# Altium PCB FC11.PcbDoc (part 1 of 2) (continued)
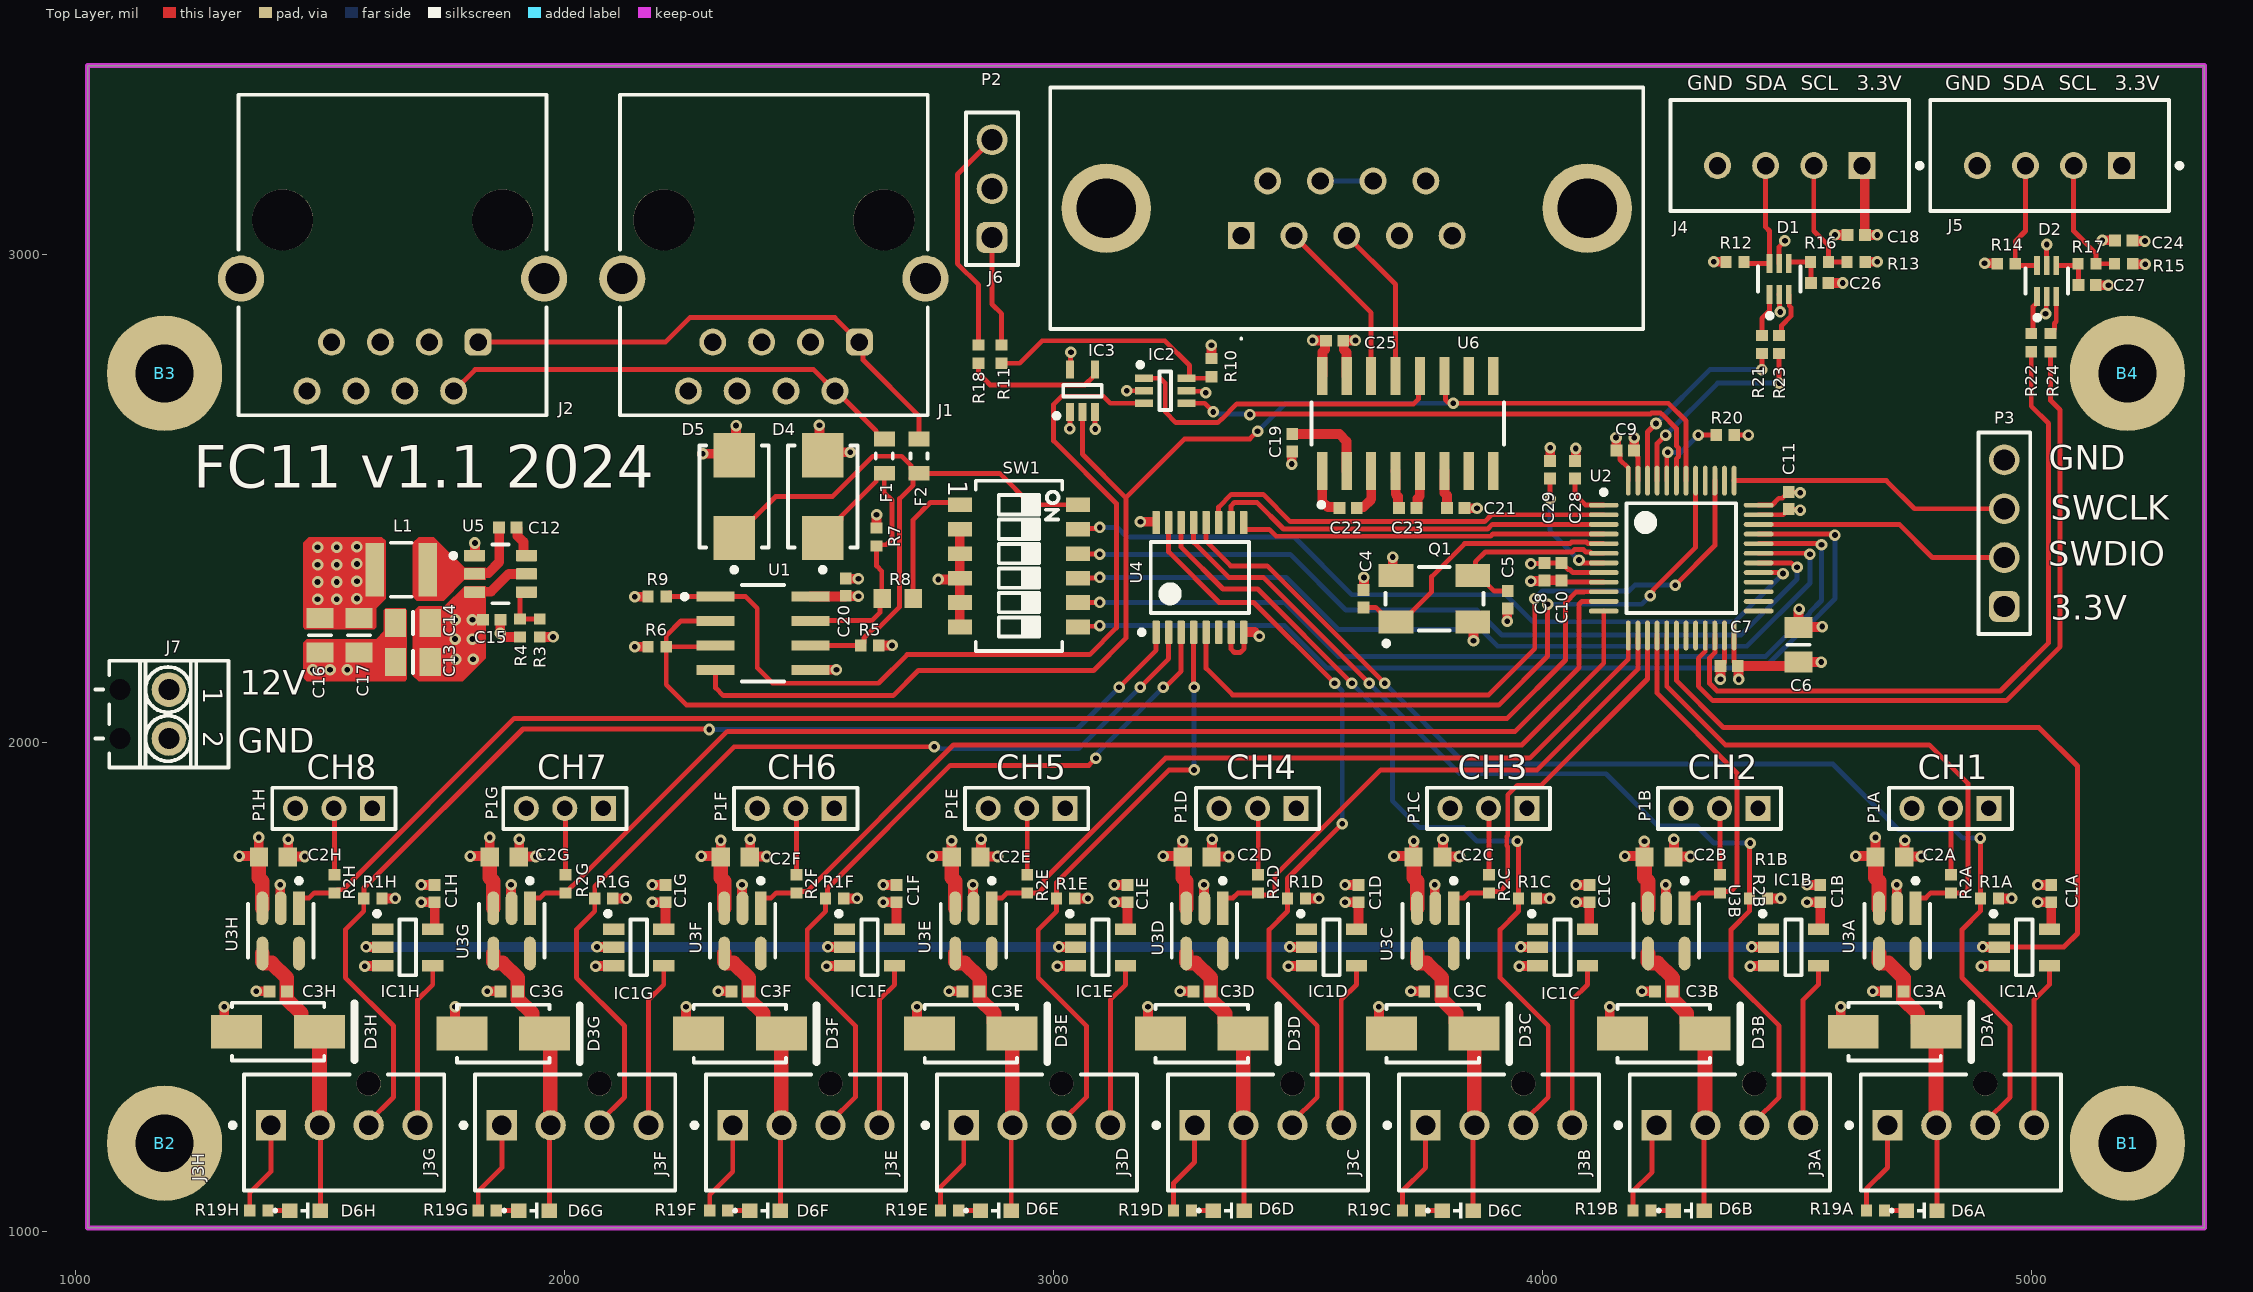
[diagram p0: Top Layer view]
## Components (designator, comment, footprint, x,y, rotation, side; value= is the part's Value field where it differs from the comment)
B1 "Plated Hole" MTG300_600 5196.85,1181.1 r0 top
B2 "Plated Hole" MTG300_600 1181.1,1181.1 r0 top
B3 "Plated Hole" MTG300_600 1181.1,2755.91 r0 top
B4 "Plated Hole" MTG300_600 5196.85,2755.91 r0 top
C1A "100nF" CAPC1005X55N 5040.83,1691.85 r270 top (schematic designator C1)
C1B "100nF" CAPC1005X55N 4568.39,1691.85 r270 top (schematic designator C1)
C1C "100nF" CAPC1005X55N 4095.94,1691.85 r270 top (schematic designator C1)
C1D "100nF" CAPC1005X55N 3623.5,1691.85 r270 top (schematic designator C1)
C1E "100nF" CAPC1005X55N 3151.06,1691.85 r270 top (schematic designator C1)
C1F "100nF" CAPC1005X55N 2678.62,1691.85 r270 top (schematic designator C1)
C1G "100nF" CAPC1005X55N 2206.18,1691.85 r270 top (schematic designator C1)
C1H "100nF" CAPC1005X55N 1733.74,1691.85 r270 top (schematic designator C1)
C2A "4.7uF" CAPC1709X95N 4710.83,1766.85 r180 top (schematic designator C2)
C2B "4.7uF" CAPC1709X95N 4238.39,1766.85 r180 top (schematic designator C2)
C2C "4.7uF" CAPC1709X95N 3765.94,1766.85 r180 top (schematic designator C2)
C2D "4.7uF" CAPC1709X95N 3293.5,1766.85 r180 top (schematic designator C2)
C2E "4.7uF" CAPC1709X95N 2821.06,1766.85 r180 top (schematic designator C2)
C2F "4.7uF" CAPC1709X95N 2348.62,1766.85 r180 top (schematic designator C2)
C2G "4.7uF" CAPC1709X95N 1876.18,1766.85 r180 top (schematic designator C2)
C2H "4.7uF" CAPC1709X95N 1403.74,1766.85 r180 top (schematic designator C2)
C3A "100nF" CAPC1005X55N 4720.83,1491.85 r0 top (schematic designator C3)
C3B "100nF" CAPC1005X55N 4248.39,1491.85 r0 top (schematic designator C3)
C3C "100nF" CAPC1005X55N 3775.94,1491.85 r0 top (schematic designator C3)
C3D "100nF" CAPC1005X55N 3303.5,1491.85 r0 top (schematic designator C3)
C3E "100nF" CAPC1005X55N 2831.06,1491.85 r0 top (schematic designator C3)
C3F "100nF" CAPC1005X55N 2358.62,1491.85 r0 top (schematic designator C3)
C3G "100nF" CAPC1005X55N 1886.18,1491.85 r0 top (schematic designator C3)
C3H "100nF" CAPC1005X55N 1413.74,1491.85 r0 top (schematic designator C3)
C4 "12pF" CAPC1005X55N 3634.02,2295.08 r270 top
C5 "12pF" CAPC1005X55N 3929.02,2292.8 r90 top
C6 "10uF" CAPC2012X95N 4523.62,2200.79 r270 top
C7 "100nF" CAPC1005X55N 4381.89,2157.48 r0 top
C8 "100nF" CAPC1005X55N 4003.94,2350.39 r270 top
C9 "100nF" CAPC1005X55N 4169.29,2598.43 r180 top
C10 "100nF" CAPC1005X55N 4039.37,2350.39 r270 top
C11 "100nF" CAPC1005X55N 4503.94,2496.06 r90 top
C12 "100nF" CAPC1005X55N 1883.5,2440.75 r0 top
C13 "10uF" CAPC2012X95N 1689.25,2165.31 r0 top
C14 "10uF" CAPC2012X95N 1689.25,2245.31 r0 top
C15 "100nF" CAPC1005X55N 1850.39,2251.97 r180 top
C16 "22uF" CAPC2012X135N 1499.25,2220.31 r90 top
C17 "22uF" CAPC2012X135N 1579.25,2220.31 r90 top
C18 "100nF" CAPC1005X55N 4641.73,3039.37 r0 top
C19 "100nF" CAPC1005X55N 3488.19,2614.17 r270 top
C20 "100nF" CAPC1005X55N 2574.8,2318.9 r270 top
C21 "100nF" CAPC1005X55N 3822.83,2480.32 r0 top
C22 "100nF" CAPC1005X55N 3602.36,2480.32 r180 top
C23 "100nF" CAPC1005X55N 3724.41,2480.32 r180 top
C24 "100nF" CAPC1005X55N 5188.98,3027.56 r180 top
C25 "100nF" CAPC1005X55N 3574.8,2822.83 r0 top
C26 "100nF" CAPC1005X55N 4566.93,2940.94 r0 top
C27 "100nF" CAPC1005X55N 5114.17,2937.01 r0 top
C28 "100nF" CAPC1005X55N 4066.93,2559.06 r270 top
C29 "100nF" CAPC1005X55N 4015.75,2559.06 r90 top
D1 "USBLC6-2P6" FP-SOT-666-MFG 4484.25,2948.82 r90 top
D2 "USBLC6-2P6" FP-SOT-666-MFG 5031.5,2944.88 r90 top
D3A "SS16" FAIR-SMA-2_B_V 4720.47,1409.45 r0 top (schematic designator D3)
D3B "SS16" FAIR-SMA-2_B_V 4248.03,1405.51 r0 top (schematic designator D3)
D3C "SS16" FAIR-SMA-2_B_V 3775.59,1405.51 r0 top (schematic designator D3)
D3D "SS16" FAIR-SMA-2_B_V 3303.15,1405.51 r0 top (schematic designator D3)
D3E "SS16" FAIR-SMA-2_B_V 2830.71,1405.51 r0 top (schematic designator D3)
D3F "SS16" FAIR-SMA-2_B_V 2358.27,1405.51 r0 top (schematic designator D3)
D3G "SS16" FAIR-SMA-2_B_V 1874.02,1405.51 r0 top (schematic designator D3)
D3H "SS16" FAIR-SMA-2_B_V 1413.39,1409.45 r0 top (schematic designator D3)
D4 "SMBJ6V5A" DIOM5336X265N 2527.56,2503.94 r90 top
D5 "SMBJ6V5A" DIOM5336X265N 2346.46,2503.94 r90 top
D6A "150060GS55040" WL-SMCD_0603 54775.59,51043.31 r0 top (schematic designator D6)
D6B "150060GS55040" WL-SMCD_0603 54299.21,51043.31 r0 top (schematic designator D6)
D6C "150060GS55040" WL-SMCD_0603 53826.77,51043.31 r0 top (schematic designator D6)
D6D "150060GS55040" WL-SMCD_0603 53358.27,51043.31 r0 top (schematic designator D6)
D6E "150060GS55040" WL-SMCD_0603 52881.89,51043.31 r0 top (schematic designator D6)
D6F "150060GS55040" WL-SMCD_0603 52409.45,51043.31 r0 top (schematic designator D6)
D6G "150060GS55040" WL-SMCD_0603 51937.01,51043.31 r0 top (schematic designator D6)
D6H "150060GS55040" WL-SMCD_0603 51468.5,51043.31 r0 top (schematic designator D6)
F1 "0467.375NR" FP-467-MFG 2653.54,2586.61 r90 top
F2 "0467.375NR" FP-467-MFG 2724.41,2586.61 r90 top
IC1A "SN74LVC1G07DBV" SOT95P280X145-5N 4985.83,1581.85 r0 top (schematic designator IC1)
IC1B "SN74LVC1G07DBV" SOT95P280X145-5N 4513.39,1581.85 r0 top (schematic designator IC1)
IC1C "SN74LVC1G07DBV" SOT95P280X145-5N 4040.94,1581.85 r0 top (schematic designator IC1)
IC1D "SN74LVC1G07DBV" SOT95P280X145-5N 3568.5,1581.85 r0 top (schematic designator IC1)
IC1E "SN74LVC1G07DBV" SOT95P280X145-5N 3096.06,1581.85 r0 top (schematic designator IC1)
IC1F "SN74LVC1G07DBV" SOT95P280X145-5N 2623.62,1581.85 r0 top (schematic designator IC1)
IC1G "SN74LVC1G07DBV" SOT95P280X145-5N 2151.18,1581.85 r0 top (schematic designator IC1)
IC1H "SN74LVC1G07DBV" SOT95P280X145-5N 1678.74,1581.85 r0 top (schematic designator IC1)
IC2 "SN74LVC1G11DCKR" SOT65P210X110-6N 3228.33,2720.47 r0 top
IC3 "74HCT1G125GW" SOT65P210X110-5N 3059.06,2720.47 r90 top
J1 "615008140421" 615008140421 2427.68,2998.15 r180 top
J2 "615008140421" 615008140421 1647.68,2998.15 r180 top
J3A "47053-1000" FP-470531000-MFG 4855.83,1202.99 r180 top (schematic designator J3)
J3B "47053-1000" FP-470531000-MFG 4383.39,1202.99 r180 top (schematic designator J3)
J3C "47053-1000" FP-470531000-MFG 3910.94,1202.99 r180 top (schematic designator J3)
J3D "47053-1000" FP-470531000-MFG 3438.5,1202.99 r180 top (schematic designator J3)
J3E "47053-1000" FP-470531000-MFG 2966.06,1202.99 r180 top (schematic designator J3)
J3F "47053-1000" FP-470531000-MFG 2493.62,1202.99 r180 top (schematic designator J3)
J3G "47053-1000" FP-470531000-MFG 2021.18,1202.99 r180 top (schematic designator J3)
J3H "47053-1000" FP-470531000-MFG 1548.74,1202.99 r180 top (schematic designator J3)
J4 "B4B-XH-A(LF)(SN)" FP-B4B-XH-A_LF_SN-MFG 4505.91,3201.77 r0 top
J5 "B4B-XH-A(LF)(SN)" FP-B4B-XH-A_LF_SN-MFG 5037.4,3201.77 r0 top
J6 "LD09S24A4GV00LF" LD09S24A4GV00LF 3383.86,3037.8 r180 top
J7 "" PHOENIX_1725656 1190.16,2059.06 r270 top
L1 "DFE32CAH3R3MR0L" FP-DFE32CAH_R0-MFG 1665.35,2354.33 r0 top
P1A "" 62000311121 4834.65,1866.14 r180 top (schematic designator P1)
P1B "" 62000311121 4362.2,1866.14 r180 top (schematic designator P1)
P1C "" 62000311121 3889.76,1866.14 r180 top (schematic designator P1)
P1D "" 62000311121 3417.32,1866.14 r180 top (schematic designator P1)
P1E "" 62000311121 2944.88,1866.14 r180 top (schematic designator P1)
P1F "" 62000311121 2472.44,1866.14 r180 top (schematic designator P1)
P1G "" 62000311121 2000,1866.14 r180 top (schematic designator P1)
P1H "" 62000311121 1527.56,1866.14 r180 top (schematic designator P1)
P2 "61300311121" 61300311121 2874.02,3133.86 r90 top
P3 "61300411121" 61300411121 4944.88,2429.13 r90 top
Q1 "12MHZ" XTAL_ABRACON_ABM3B 3779.02,2295.08 r90 top
R1A "10k" RESC1005X40N 4914.33,1681.85 r0 top (schematic designator R1)
R1B "10k" RESC1005X40N 4441.89,1681.85 r0 top (schematic designator R1)
R1C "10k" RESC1005X40N 3969.45,1681.85 r0 top (schematic designator R1)
R1D "10k" RESC1005X40N 3497.01,1681.85 r0 top (schematic designator R1)
R1E "10k" RESC1005X40N 3024.57,1681.85 r0 top (schematic designator R1)
R1F "10k" RESC1005X40N 2552.13,1681.85 r0 top (schematic designator R1)
R1G "10k" RESC1005X40N 2079.69,1681.85 r0 top (schematic designator R1)
R1H "10k" RESC1005X40N 1607.24,1681.85 r0 top (schematic designator R1)
R2A "10k" RESC1005X40N 4835.83,1711.85 r270 top (schematic designator R2)
R2B "10k" RESC1005X40N 4363.39,1711.85 r270 top (schematic designator R2)
R2C "10k" RESC1005X40N 3890.94,1711.85 r270 top (schematic designator R2)
R2D "10k" RESC1005X40N 3418.5,1711.85 r270 top (schematic designator R2)
R2E "10k" RESC1005X40N 2946.06,1711.85 r270 top (schematic designator R2)
R2F "10k" RESC1005X40N 2473.62,1711.85 r270 top (schematic designator R2)
R2G "10k" RESC1005X40N 2001.18,1711.85 r270 top (schematic designator R2)
R2H "10k" RESC1005X40N 1528.74,1711.85 r270 top (schematic designator R2)
R3 "33k" RESC1005X40N 1948.72,2235.3 r270 top
R4 "10k" RESC1005X40N 1908.72,2235.3 r90 top
R5 "100k" RESC1005X40N 2623.79,2199.41 r180 top
R6 "100k" RESC1005X40N 2188.98,2196.85 r0 top
R7 "100k" RESC1005X40N 2637.8,2421.26 r270 top
R8 "120" RESC1608X55N 2681.1,2295.28 r180 top
R9 "100k" RESC1005X40N 2188.98,2299.21 r0 top
R10 "100k" RESC1005X40N 3322.83,2767.72 r90 top
R11 "47" RESC1005X40N 2893.7,2795.28 r90 top
R12 "3k9" RESC1005X40N 4393.7,2984.25 r180 top
R13 "3k9" RESC1005X40N 4641.73,2984.25 r180 top
R14 "3k9" RESC1005X40N 4948.82,2980.32 r180 top
R15 "3k9" RESC1005X40N 5188.98,2980.32 r180 top
R16 "150" RESC1005X40N 4566.93,2984.25 r0 top
R17 "150" RESC1005X40N 5114.17,2980.32 r0 top
R18 "47" RESC1005X40N 2846.46,2795.28 r90 top
R19A "33k" RESC1005X40N 4681.1,1043.31 r0 top (schematic designator R19)
R19B "33k" RESC1005X40N 4203.54,1043.31 r0 top (schematic designator R19)
R19C "33k" RESC1005X40N 3732.28,1043.31 r0 top (schematic designator R19)
R19D "33k" RESC1005X40N 3263.78,1043.31 r0 top (schematic designator R19)
R19E "33k" RESC1005X40N 2787.4,1043.31 r0 top (schematic designator R19)
R19F "33k" RESC1005X40N 2314.96,1043.31 r0 top (schematic designator R19)
R19G "33k" RESC1005X40N 1841.34,1043.31 r0 top (schematic designator R19)
R19H "33k" RESC1005X40N 1374.02,1043.31 r0 top (schematic designator R19)
R20 "0" RESC1005X40N 4374.02,2629.92 r0 top
R21 "47" RESC1005X40N 4448.82,2814.96 r90 top
R22 "47" RESC1005X40N 5000,2818.9 r90 top
R23 "47" RESC1005X40N 4484.25,2814.96 r90 top
R24 "47" RESC1005X40N 5039.37,2818.9 r90 top
SW1 "Switch'" SW_OMRON_A6H-6102 2929.13,2362.2 r0 top
U1 "MAX3485ESA+" FP-S8-5-MFG 2405.51,2224.41 r0 top
U2 "STM32L151CCT6" STM-LQFP48_L 4283.82,2378.15 r0 top
U3A "MIC2514YM5-TR" FP-SOT23-5LD-PL-1-IPC_A 4725.83,1615.58 r270 top (schematic designator U3)
U3B "MIC2514YM5-TR" FP-SOT23-5LD-PL-1-IPC_A 4253.39,1615.58 r270 top (schematic designator U3)
U3C "MIC2514YM5-TR" FP-SOT23-5LD-PL-1-IPC_A 3780.94,1615.58 r270 top (schematic designator U3)
U3D "MIC2514YM5-TR" FP-SOT23-5LD-PL-1-IPC_A 3308.5,1615.58 r270 top (schematic designator U3)
U3E "MIC2514YM5-TR" FP-SOT23-5LD-PL-1-IPC_A 2836.06,1615.58 r270 top (schematic designator U3)
U3F "MIC2514YM5-TR" FP-SOT23-5LD-PL-1-IPC_A 2363.62,1615.58 r270 top (schematic designator U3)
U3G "MIC2514YM5-TR" FP-SOT23-5LD-PL-1-IPC_A 1891.18,1615.58 r270 top (schematic designator U3)
U3H "MIC2514YM5-TR" FP-SOT23-5LD-PL-1-IPC_A 1418.74,1615.58 r270 top (schematic designator U3)
U4 "SN74HC151PW" PW0016A_L 3299.21,2338.58 r90 top
U5 "TPS562201DDCT" FP-DDC0006A-MFG 1868.5,2345.75 r0 top
U6 "MAX3232CSE+T" FP-S16-1-MFG 3724.41,2653.54 r90 top

## Footprints (in the part's own frame and the unit in brackets; to place one, negate y for a bottom-side part, rotate by r counter-clockwise, add the part's x,y. Pads: shape width x height; smd on the part's side, far side on the other; paste and mask are expansions set on the pad)
61300311121 [mm] "Pin Header, pitch 2.54 mm, THT, Vertical, single row, 3p"
  rrect50% 1.6x1.6 hole 1.1: 1(-2.54,0)
  round 1.6 hole 1.1: 2(0,0) 3(2.54,0)
  silkscreen extent -3.96,-1.35 3.96,1.35, body extent -3.81,-1.27 3.81,1.27, height 8.57
61300411121 [mm] "Pin Header, pitch 2.54 mm, THT, Vertical, single row, 4p"
  rrect50% 1.6x1.6 hole 1.1: 1(-3.81,0)
  round 1.6 hole 1.1: 2(-1.27,0) 3(1.27,0) 4(3.81,0)
  silkscreen extent -5.23,-1.35 5.23,1.35, body extent -5.08,-1.27 5.08,1.27, height 8.57
62000311121 [mm] "Pin Header, pitch 2.00 mm, THT, Vertical, single row, 3p"
  rect 1.3x1.3 hole 0.8: 1(-2,0)
  round 1.3 hole 0.8: 2(0,0) 3(2,0)
  silkscreen extent -3.2,-1.07 3.2,1.07, body extent -3,-1 3,1, height 6.05
615008140421 [mm] "Modular Jack Vertical Shielded 8P8C Rear Post"
  rrect50% 1.4x1.4 hole 0.9: 1(-4.445,4.524)
  round 1.4 hole 0.9: 2(-3.175,7.064) 3(-1.905,4.524) 4(-0.635,7.064) 5(0.635,4.524) 6(1.905,7.064) 7(3.175,4.524) 8(4.445,7.064)
  round 3.17 hole 3.17 unplated: M1(-5.715,-1.826) M2(5.715,-1.826)
  round 2.4 hole 1.6: Shell(-7.875,1.224) Shell(7.875,1.224)
  silkscreen extent -8,-8.32 8,8.32, body extent -8,-8.32 8,8.33, height 16.65
CAPC1005X55N [mm] "Capacitor, Non-Polarized, Chip; 1.00mm L X 0.50mm W X 0.70mm H, IPC Medium Density"
  rect 0.62x0.62 smd: 1(-0.45,0) 2(0.45,0)
  body extent -0.52,-0.27 0.53,0.28, height 0.55
CAPC1709X95N [mm] "Capacitor, non-Polarized, Chip; 1.65mm L X 0.85mm W X 0.95mm H,IPC Medium Density"
  rect 0.95x1 smd: 1(-0.75,0) 2(0.75,0)
  body extent -0.87,-0.47 0.88,0.48, height 0.95
CAPC2012X95N [mm] "Chip Capacitor, Body 2.0x1.25mm, IPC Medium Density"
  rect 1.1x1.45 smd: 1(-0.9,0) 2(0.9,0)
  silkscreen extent 0,-0.58 0,0.58, body extent -1.05,-0.67 1.05,0.68, height 0.95
CAPC2012X135N [mm] "Chip Capacitor, Body 2.0x1.25mm, IPC Medium Density"
  rect 1.05x1.4 smd: 1(-0.9,0) 2(0.9,0)
  silkscreen extent 0,-0.57 0,0.57, body extent -1.05,-0.67 1.05,0.68, height 1.25
DIOM5336X265N [mm] "DO-214-AA/SMB Diode, Molded Body; 5.34mm L X 3.625mm W X 2.65mm H, IPC Medium Density"
  rect 2.3x2.15 smd: 1(-2.15,0) 2(2.15,0)
  silkscreen extent -3.92,-1.8 2.65,1.8, body extent -2.7,-1.95 2.7,1.95, height 2.4
FAIR-SMA-2_B_V [mm] "Molded Diode, 2-Leads, Body 4.75x2.95mm"
  rect 2.65x1.75 smd: 1(-2.15,0) 2(2.15,0)
  silkscreen extent -2.4,-1.5 3.97,1.5, body extent -2.6,-1.48 2.6,1.48, height 2.7
FP-467-MFG [mil]
  rect 30x42.91 smd paste+0 mask+0: 1(-35.08,0) 2(35.08,0)
  silkscreen extent -5,-18 5,18, body extent -54,-25 54,25, height 10
FP-470531000-MFG [mm]
  rect 1.57x1.57 hole 1.02 paste-2539.97 mask+0: 1(3.81,-0.38)
  round 1.57 hole 1.02 paste-2539.97 mask+0: 2(1.27,-0.38) 3(-1.27,-0.38) 4(-3.81,-0.38)
  round 1.25 hole 1.25 unplated paste-2539.97 mask+0: ""(-1.27,-2.54)
  silkscreen extent -5.2,-3.02 5.92,3.02, body extent -5.3,-3.26 5.3,3.12, height 0.25
FP-B4B-XH-A_LF_SN-MFG [mm]
  rect 1.4x1.4 hole 0.9 paste-2539.97 mask+0: 1(3.75,-0.525)
  round 1.4 hole 0.9 paste-2539.97 mask+0: 2(1.25,-0.525) 3(-1.25,-0.525) 4(-3.75,-0.525)
  silkscreen extent -6.2,-2.88 6.88,2.88, body extent -6.3,-2.98 6.3,2.98, height 0.25
FP-DDC0006A-MFG [mm]
  rrect17% 1.1x0.6 smd paste+0 mask+0: 1(-1.35,0.95) 2(-1.35,0) 3(-1.35,-0.95) 4(1.35,-0.95) 5(1.35,0) 6(1.35,0.95)
  silkscreen extent -2.57,-1.53 0.42,1.53, body extent -2,-1.63 2,1.63, height 0.25
FP-DFE32CAH_R0-MFG [mm]
  rect 0.95x2.8 smd paste+0 mask+0: 1(-1.375,0) 2(1.375,0)
  silkscreen extent -0.53,-1.4 0.53,1.4, body extent -1.95,-1.5 1.95,1.5, height 0.25
FP-S8-5-MFG [mm]
  rect 1.98x0.53 smd paste+0 mask+0: 1(-2.465,1.905) 2(-2.465,0.635) 3(-2.465,-0.635) 4(-2.465,-1.905) 5(2.465,-1.905) 6(2.465,-0.635) 7(2.465,0.635) 8(2.465,1.905)
  silkscreen extent -4.2,-2.5 1.1,2.5, body extent -3.55,-2.75 3.55,2.75, height 0.25
FP-S16-1-MFG [mil]
  rect 77.99x20.98 smd paste+0 mask+0: 1(-97.01,175) 2(-97.01,125) 3(-97.01,75) 4(-97.01,25) 5(-97.01,-25) 6(-97.01,-75) 7(-97.01,-125) 8(-97.01,-175) 9(97.01,-175) 10(97.01,-125) 11(97.01,-75) 12(97.01,-25) 13(97.01,25) 14(97.01,75) 15(97.01,125) 16(97.01,175)
  silkscreen extent -171,-197 43,197, body extent -140,-207 140,207, height 10
FP-SOT23-5LD-PL-1-IPC_A [mm]
  rect 1.756x0.61 smd paste+0 mask+0: 1(-1.175,0.95)
  rrect100% 1.756x0.61 smd paste+0 mask+0: 2(-1.175,0) 3(-1.175,-0.95) 4(1.175,-0.95) 5(1.175,0.95)
  silkscreen extent -2.73,-1.7 1.4,1.7, body extent -2.55,-1.95 2.55,1.95, height 0.25
FP-SOT-666-MFG [mm]
  rect 0.99x0.3 smd paste+0 mask+0: 1(-0.805,0.5) 2(-0.805,0) 3(-0.805,-0.5) 4(0.805,-0.5) 5(0.805,0) 6(0.805,0.5)
  silkscreen extent -2.02,-1.1 0.65,1.1, body extent -1.4,-0.95 1.4,0.95, height 0.25
LD09S24A4GV00LF [mm]
  rect 1.4x1.4 hole 0.9: 1(0,0)
  round 1.4 hole 0.9: 2(-2.74,0) 3(-5.48,0) 4(-8.22,0) 5(-10.96,0) 6(-1.37,-2.84) 7(-4.11,-2.84) 8(-6.85,-2.84) 9(-9.59,-2.84)
  round 4.65 hole 3.1: MH1(7.015,-1.42) MH2(-17.975,-1.42)
  silkscreen extent -20.89,-7.7 9.92,5.4, body extent -20.96,-7.8 10.04,4.75, height 12.25
MTG300_600 [mm] "Plated Through Hole: Hole Dia.=3.0mm Pad Dia.=6.0mm"
  round 6 hole 3: 1(0,0)
PHOENIX_1725656 [mm] "Micro PCB Terminal Block, Pitch 2.54mm, 2 Positions, Screw Connection"
  round 1.8 hole 1.1: 1(-1.27,0) 2(1.27,0)
  round 0.5 hole 1.1 unplated mask+0.3: 3(-1.27,-2.54) 4(1.27,-2.54)
  silkscreen extent -2.77,-3.81 2.77,3.1, body extent -2.77,-3.1 2.77,3.1, height 8.5
PW0016A_L [mm] "SOP, 16-Leads, Body 5.1x4.5mm, Pitch 0.65mm, IPC High Density"
  rrect25% 1.2x0.4 smd: 1(-2.85,2.275) 2(-2.85,1.625) 3(-2.85,0.975) 4(-2.85,0.325) 5(-2.85,-0.325) 6(-2.85,-0.975) 7(-2.85,-1.625) 8(-2.85,-2.275) 9(2.85,-2.275) 10(2.85,-1.625) 11(2.85,-0.975) 12(2.85,-0.325) 13(2.85,0.325) 14(2.85,0.975) 15(2.85,1.625) 16(2.85,2.275)
  silkscreen extent -2.97,-2.55 1.85,3.15, body extent -3.21,-2.5 3.21,2.5, height 1
RESC1005X40N [mm] "Chip Resistor, EIA 0402, Metric 1005, Body 1.0x0.5mm, IPC Medium Density"
  rect 0.58x0.62 smd: 1(-0.47,0) 2(0.47,0)
  body extent -0.52,-0.27 0.53,0.28, height 0.4
RESC1608X55N [mm] "Chip Resistor, EIA 0603, Metric 1608, Body 1.6x0.8mm, IPC Medium Density"
  rect 0.9x1 smd: 1(-0.8,0) 2(0.8,0)
  body extent -0.87,-0.47 0.88,0.48, height 0.55
SOT65P210X110-5N [mm] "SOT353, SC70-5, SOT, 0.65mm Pitch, 5 Pin, 1.25mm W X 2.00mm L X 1.10mm H, IPC Medium Density"
  rect 0.95x0.4 smd: 1(-1.1,0.65) 2(-1.1,0) 3(-1.1,-0.65) 4(1.1,-0.65) 5(1.1,0.65)
  silkscreen extent -1.42,-1 0.3,1.47, body extent -1.2,-1.1 1.2,1.1, height 1.1
SOT65P210X110-6N [mm] "SOT363, SC70-6, SOT, 0.65mm Pitch, 6 Pin, 1.25mm W X 2.00mm L X 1.10mm H, IPC Medium Density"
  rect 0.95x0.4 smd: 1(-1.1,0.65) 2(-1.1,0) 3(-1.1,-0.65) 4(1.1,-0.65) 5(1.1,0) 6(1.1,0.65)
  silkscreen extent -1.42,-1 0.3,1.47, body extent -1.2,-1.1 1.2,1.1, height 1.1
SOT95P280X145-5N [mm] "SOT, 0.95mm pitch; 5 pin, 1.60mm W X 2.90mm L X 1.45mm H body, IPC Medium Density"
  rect 1.1x0.6 smd: 1(-1.3,0.95) 2(-1.3,0) 3(-1.3,-0.95) 4(1.3,-0.95) 5(1.3,0.95)
  silkscreen extent -1.72,-1.45 0.43,1.87, body extent -1.4,-1.5 1.4,1.5, height 1.45
STM-LQFP48_L [mm] "QFP, 48-Leads, Body 7x7mm, Pitch 0.5mm, IPC High Density"
  oval 1.55x0.25 smd: 1(-4.025,2.75) 2(-4.025,2.25) 3(-4.025,1.75) 4(-4.025,1.25) 5(-4.025,0.75) 6(-4.025,0.25) 7(-4.025,-0.25) 8(-4.025,-0.75) 9(-4.025,-1.25) 10(-4.025,-1.75) 11(-4.025,-2.25) 12(-4.025,-2.75) 25(4.025,-2.75) 26(4.025,-2.25) 27(4.025,-1.75) 28(4.025,-1.25) 29(4.025,-0.75) 30(4.025,-0.25) 31(4.025,0.25) 32(4.025,0.75) 33(4.025,1.25) 34(4.025,1.75) 35(4.025,2.25) 36(4.025,2.75)
  oval 0.25x1.55 smd: 13(-2.75,-4.025) 14(-2.25,-4.025) 15(-1.75,-4.025) 16(-1.25,-4.025) 17(-0.75,-4.025) 18(-0.25,-4.025) 19(0.25,-4.025) 20(0.75,-4.025) 21(1.25,-4.025) 22(1.75,-4.025) 23(2.25,-4.025) 24(2.75,-4.025) 37(2.75,4.025) 38(2.25,4.025) 39(1.75,4.025) 40(1.25,4.025) 41(0.75,4.025) 42(0.25,4.025) 43(-0.25,4.025) 44(-0.75,4.025) 45(-1.25,4.025) 46(-1.75,4.025) 47(-2.25,4.025) 48(-2.75,4.025)
  silkscreen extent -4.15,-2.85 2.85,3.55, body extent -3.5,-3.5 3.5,3.5, height 1.6
SW_OMRON_A6H-6102 [mm] "Pitch 1.27mm, Body 8.85 x 4.5mm, 6 Ways SPST Surface-Mounting DIP Switch, OMRON A6H"
  rect 1.25x0.76 smd: 1(-3.075,3.175) 2(-3.075,1.905) 3(-3.075,0.635) 4(-3.075,-0.635) 5(-3.075,-1.905) 6(-3.075,-3.175) 7(3.075,-3.175) 8(3.075,-1.905) 9(3.075,-0.635) 10(3.075,0.635) 11(3.075,1.905) 12(3.075,3.175)
  silkscreen extent -2.25,-4.43 2.25,4.43, body extent -3.35,-4.42 3.35,4.43, height 1.55
WL-SMCD_0603 [mm] "SMD Mono-color Chip LED, body 1.6x0.8mm"
  rect 0.8x0.75 smd: 1(-1270.8,-1270) 2(-1269.2,-1270)
  silkscreen extent -1271.62,-1270.4 -1269.78,-1269.6, body extent -1270.8,-1270.4 -1269.2,-1269.6, height 0.42
XTAL_ABRACON_ABM3B [mm] "ABM3B Serie, SMD Cristal, Body 5.x3.2mm"
  rect 1.2x1.8 smd: 1(-1.2,2) 2(-1.2,-2) 3(1.2,-2) 4(1.2,2)
  silkscreen extent -2.45,-2.55 1.65,2.62, body extent -1.65,-2.55 1.65,2.55, height 1.1
